# Altium PCB RTU_LMG_PCB2.PcbDoc (continued)
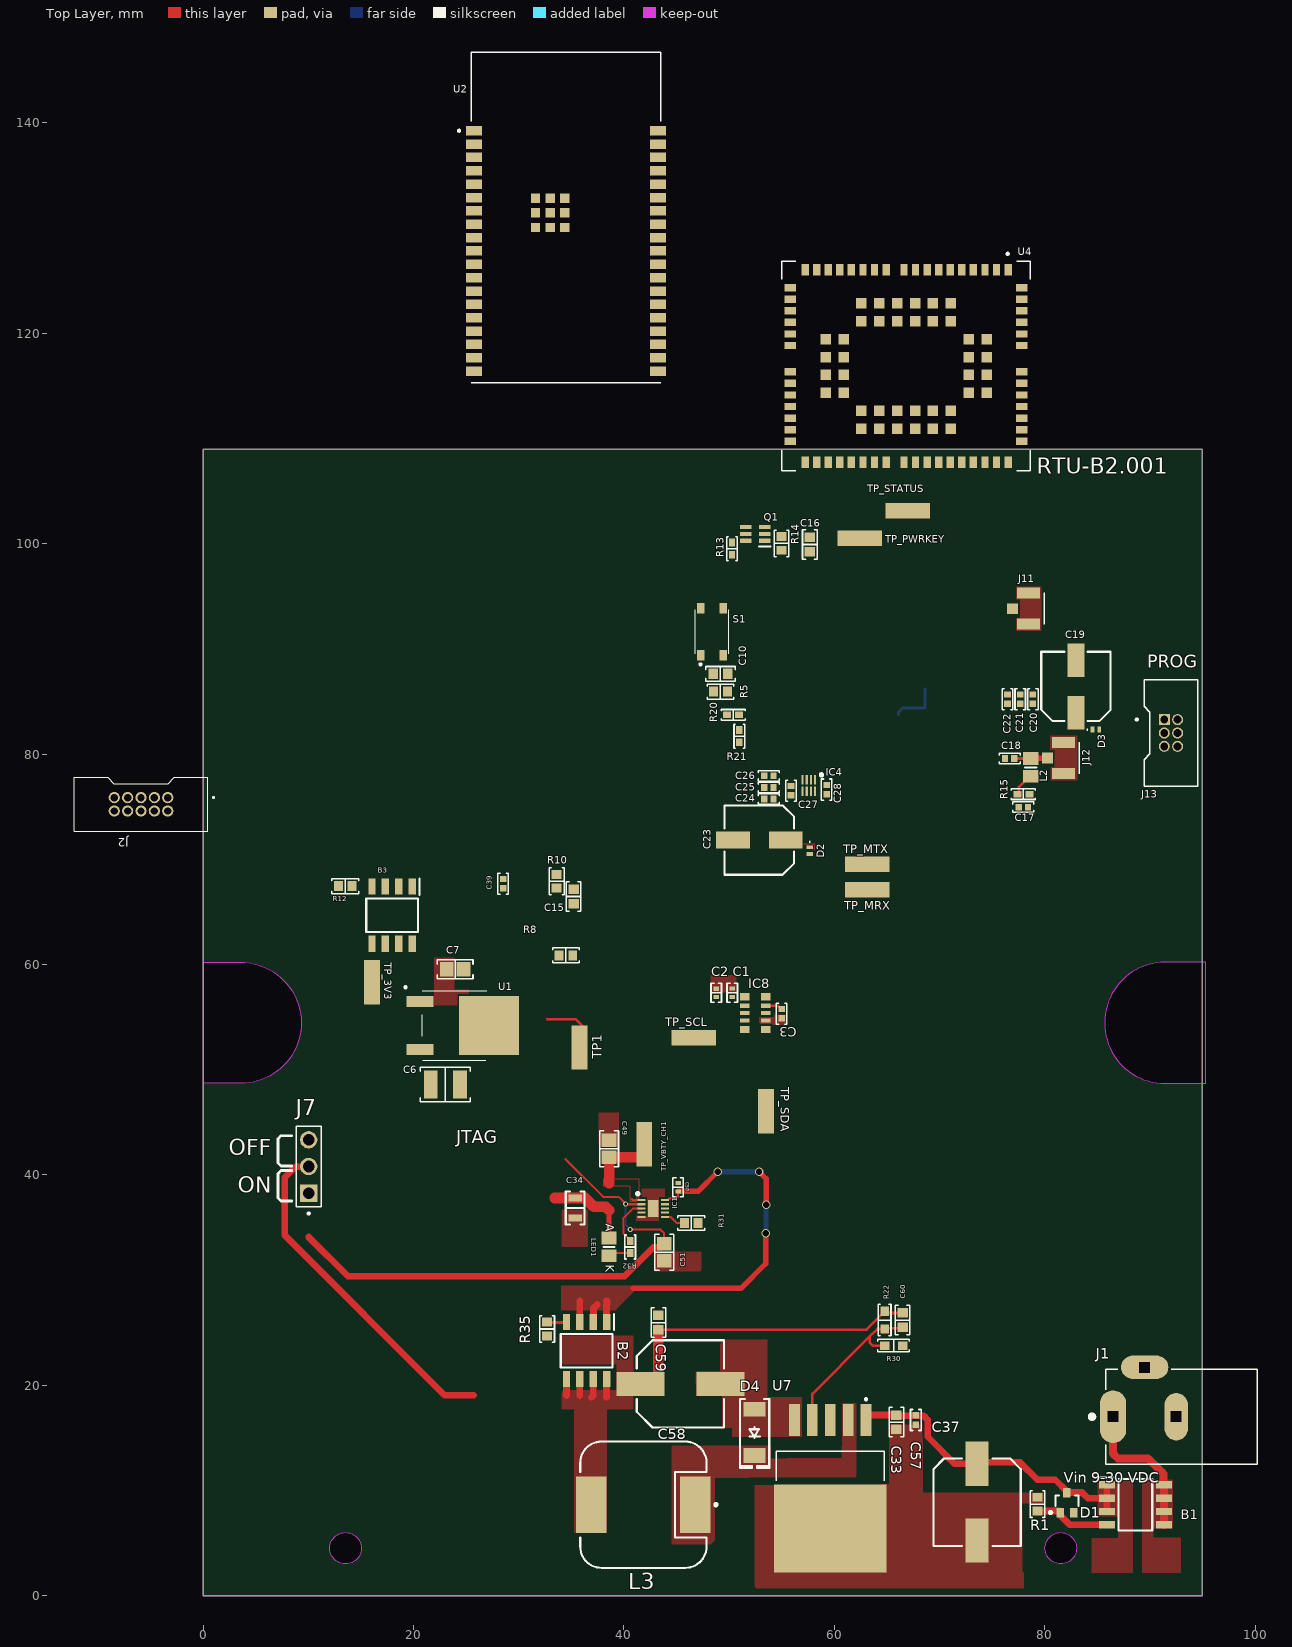
[diagram p0: Top Layer view]
## Footprints (in the part's own frame and the unit in brackets; to place one, negate y for a bottom-side part, rotate by r counter-clockwise, add the part's x,y. Pads: shape width x height; smd on the part's side, far side on the other; paste and mask are expansions set on the pad) (continued)
RCWCTE [mm] "Test point"
  rect 4.2x1.5 smd: 1(0,0)
  body extent -1.6,-0.8 1.6,0.8, height 2.01
"RES 0402_1005" [mm] "Chip Resistor, 2-Leads, Body 1.0x0.5mm, IPC Medium Density"
  rect 0.75x0.6 smd: 1(-0.575,0) 2(0.575,0)
  silkscreen extent -1.14,-0.51 1.14,0.51, body extent -0.5,-0.25 0.5,0.25, height 0.35
"RES 0603_1608" [mm] "Chip Resistor, 2-Leads, Body 1.60x0.80mm, IPC Medium Density"
  rect 0.85x0.95 smd: 1(-0.65,0) 2(0.65,0)
  silkscreen extent -1.27,-0.7 1.27,0.7, body extent -0.8,-0.4 0.8,0.4, height 0.45
RX8130CE [mm] "RTC RX8130CE"
  rect 0.7x0.9 smd: 1(-1.55,-1) 5(1.55,-1) 6(1.55,1) 10(-1.55,1)
  rect 0.4x0.9 smd: 2(-0.7,-1) 3(0,-1) 4(0.7,-1) 7(0.7,1) 8(0,1) 9(-0.7,1)
  silkscreen extent -1.65,-1.8 -1.55,-1.7, body extent -1.6,-1.25 1.6,1.25, height 1.1
SOD-882 [mm] "AQ1250-01ETG"
  rect 0.35x0.6 smd: 1(-0.325,0) 2(0.325,0)
  silkscreen extent -0.87,-0.05 -0.77,0.05, body extent -0.53,-0.33 0.53,0.33, height 0.43
SOIC127P600X175-8N [mm]
  rect 1.525x0.7 smd: 1(-2.712,1.905) 2(-2.712,0.635) 3(-2.712,-0.635) 4(-2.712,-1.905) 5(2.712,-1.905) 6(2.712,-0.635) 7(2.712,0.635) 8(2.712,1.905)
  silkscreen extent -3.47,-2.45 1.6,2.61
SON40P220X200X80-11N [mm] "BQ25186"
  rect 0.75x0.2 smd: 1(-1.1,0.8) 2(-1.1,0.4) 3(-1.1,0) 4(-1.1,-0.4) 5(-1.1,-0.8) 6(1.1,-0.8) 7(1.1,-0.4) 8(1.1,0) 9(1.1,0.4) 10(1.1,0.8)
  rect 1x1.6 smd: 11(0,0)
  silkscreen extent -1.6,1.28 -1.35,1.52, body extent -1.15,-1 1.15,1, height 0.8
SOT-363 [mm] "UM6K34NTCN"
  rect 1.1x0.4 smd: 1(-0.9,0.65) 2(-0.9,0) 3(-0.9,-0.65) 4(0.9,-0.65) 5(0.9,0) 6(0.9,0.65)
  silkscreen extent -1.45,1.2 -0.35,1.2, body extent -1.05,-1 1.05,1, height 1
TE_1909763-1 [mm]
  rect 1x1.05 smd: 1(0,-1.525)
  rect 1.05x2.2 smd: 2(-1.475,0) 3(1.475,0)
  silkscreen extent -1.5,1.5 1.5,1.5, body extent -1.5,0 1.5,1.23, height 1.55
TO252-3 [mm] "AZ2185D-ADJTRG1"
  rect 1.06x2.6 smd: 1(-2.286,-3.275) 3(2.286,-3.275)
  rect 5.632x5.7 smd: 2(0,3.275)
  silkscreen extent -3.74,-4.74 3.29,3.05, body extent -3.29,-3.05 3.29,3.05, height 2.49
"WURTH WE-PD 1210" [mm] "SMT Shielded Power Inductor, 2-leads, body 12x12mm"
  rect 2.9x5.4 smd: 1(-4.95,-0.016) 2(4.95,-0.016)
  silkscreen extent -7.02,-6.02 6,5.98, body extent -6,-6.02 6,5.98, height 9.46
"YAGEO RES 0603_1608" [mm] "Chip Resistor, 2-Leads, Body 1.60x0.80mm"
  rect 0.9x0.8 smd: 1(-0.85,0) 2(0.85,0)
  silkscreen extent -1.5,-0.6 1.5,0.6, body extent -0.8,-0.4 0.8,0.4, height 0.45

## Part data
B1 B2 B3: "Max rDS(on) = 14.8m at VGS = -4.5V, ID = -11A; HBM ESD protection level of 6kV typical (note 3); High power and current handing capability; Extended VGS range (-25V) for battery applications; High performance trench technology for extremely lowrDS(on); High power and current handing capability; Max rDS(on) = 9.3mat VGS = -10V, ID = -13A", Manufacturer_Name=onsemi, Mouser Part Number=512-FDS6679AZ, Datasheet Link=https://www.onsemi.com/pub/Collateral/FDS6679AZ-D.PDF, Geometry.Height=1.75mm, Manufacturer_Part_Number=FDS6679AZ, Mouser Price/Stock=https://www.mouser.co.uk/ProductDetail/onsemi-Fairchild/FDS6679AZ?qs=vnwGVgFuQiZlXnM8io%2FtYg%3D%3D
  B2: componentlink1description="New link", componentlink1url=https://ar.mouser.com/ProductDetail/onsemi-Fairchild/FDS6679AZ?qs=vnwGVgFuQiZlXnM8io%2FtYg%3D%3D, componentlink2description="New link", componentlink2url=https://www.digikey.com/en/products/detail/umw/FDS6679AZ/24889652
C1 C2 C17 C20 C24 C27 C28: library part GRM155R71H104KE14D, "CAP CER 0.1UF 50V X7R 0402", Device Package="0402 (1005 Metric)", manufacturer="Murata Electronics", Operating Temperature="-55°C ~ 125°C", Supplier Part Number 1=490-10700-1-ND, Temperature Coefficient=X7R, Tolerance=±10%, Voltage - Rated=50V, Applications="General Purpose", Capacitance="0.1 µF", componentlink1description=Datasheet, componentlink1url=https://search.murata.co.jp/Ceramy/image/img/A01X/G101/ENG/GRM155R71H104KE14-01.pdf, componentlink2description="DigiKey Link", componentlink2url=https://www.digikey.com/en/products/detail/murata-electronics/GRM155R71H104KE14D/4906220, Lifecycle Status=Active, Minimum Order=1, Mounting Type="Surface Mount, MLCC", Package / Case="0402 (1005 Metric)", Part Number=GRM155R71H104KE14D, Part Status=Active, partid=12677, Price=0.01, series=GRM, Size / Dimension="0.039\" L x 0.020\" W (1.00mm x 0.50mm)", Supplier 1=DigiKey, Thickness (Max)="0.022\" (0.55mm)"
  C1 C2: lastupdated="8/27/2024 12:42:53 PM", packaging=TapeAndReel
  C17 C20 C24 C27 C28: lastupdated="10/30/2023 7:04:06 PM", packaging=CutTape
C3: library part CL05A105KO5NNNC, "CAP CER 1UF 16V X5R 0402", Device Package="0402 (1005 Metric)", manufacturer="Samsung Electro-Mechanics", Operating Temperature="-55°C ~ 85°C", Supplier Part Number 1=1276-1067-1-ND, Temperature Coefficient=X5R, Tolerance=±10%, Voltage - Rated=16V, Applications="General Purpose", Capacitance="1 µF", componentlink1description=Datasheet, componentlink1url=http://www.samsungsem.com/kr/support/product-search/mlcc/CL05A105KO5NNNC.jsp, componentlink2description="DigiKey Link", componentlink2url=https://www.digikey.com/en/products/detail/samsung-electro-mechanics/CL05A105KO5NNNC/3886725, lastupdated="2/9/2024 8:04:35 PM", Lifecycle Status=Active, Minimum Order=1, Mounting Type="Surface Mount, MLCC", Package / Case="0402 (1005 Metric)", packaging=TapeAndReel, Part Number=CL05A105KO5NNNC, Part Status=Active, partid=3120, Price=0.01, series=CL, Size / Dimension="0.039\" L x 0.020\" W (1.00mm x 0.50mm)", Supplier 1=DigiKey, Thickness (Max)="0.022\" (0.55mm)"
C6 C8: library part C3225X7R1N106K250AC, "CAP CER 10UF 75V X7R 1210", Device Package="1210 (3225 Metric)", manufacturer="TDK Corporation", Operating Temperature="-55°C ~ 125°C", Supplier Part Number 1=445-C3225X7R1N106K250ACCT-ND, Temperature Coefficient=X7R, Tolerance=±10%, Voltage - Rated=75V, Applications="General Purpose", Capacitance="10 µF", componentlink1description=Datasheet, componentlink1url=https://product.tdk.com/info/en/catalog/datasheets/mlcc_commercial_general_en.pdf?ref_disty=digikey, componentlink2description="DigiKey Link", componentlink2url=https://www.digikey.com/en/products/detail/tdk-corporation/C3225X7R1N106K250AC/10413502, Features="Low ESL", lastupdated="10/29/2023 7:38:56 PM", Lifecycle Status=Active, Minimum Order=1, Mounting Type="Surface Mount, MLCC", Package / Case="1210 (3225 Metric)", packaging=TapeAndReel, partid=45109, Part Number=C3225X7R1N106K250AC, Part Status=Active, Price=0.29, series=C, Size / Dimension="0.126\" L x 0.098\" W (3.20mm x 2.50mm)", Supplier 1=DigiKey, Thickness (Max)="0.110\" (2.80mm)"
C7 C9 C11 C13: library part CL21A226MOCLRNC, "CAP CER 22UF 16V X5R 0805", Device Package="0805 (2012 Metric)", manufacturer="Samsung Electro-Mechanics", Operating Temperature="-55°C ~ 85°C", Supplier Part Number 1=1276-6780-1-ND, Temperature Coefficient=X5R, Tolerance=±20%, Voltage - Rated=16V, Applications="General Purpose", Capacitance="22 µF", componentlink1description=Datasheet, componentlink1url=http://www.samsungsem.com/kr/support/product-search/mlcc/CL21A226MOCLRNC.jsp, componentlink2description="DigiKey Link", componentlink2url=https://www.digikey.com/en/products/detail/samsung-electro-mechanics/CL21A226MOCLRNC/5961264, Features="Low Profile", lastupdated="10/30/2023 7:14:19 PM", Lifecycle Status=Active, Minimum Order=1, Mounting Type="Surface Mount, MLCC", Package / Case="0805 (2012 Metric)", packaging=TapeAndReel, partid=4767, Part Number=CL21A226MOCLRNC, Part Status=Active, Price=0.05, series=CL, Size / Dimension="0.079\" L x 0.049\" W (2.00mm x 1.25mm)", Supplier 1=DigiKey, Thickness (Max)="0.037\" (0.95mm)"
C10 C12 C14 C15 C16: library part 885012206118, "CAP CER 0.047UF 100V X7R 0603", Device Package="0603 (1608 Metric)", manufacturer="Würth Elektronik", Operating Temperature="-55°C ~ 125°C", Supplier Part Number 1=732-12192-1-ND, Temperature Coefficient=X7R, Tolerance=±10%, Voltage - Rated=100V, Applications="General Purpose", Capacitance="0.047 µF", componentlink1description=Datasheet, componentlink1url=https://katalog.we-online.de/pbs/datasheet/885012206118.pdf, componentlink2description="DigiKey Link", componentlink2url=https://www.digikey.com/en/products/detail/würth-elektronik/885012206118/9346004, lastupdated="10/29/2023 7:09:06 PM", Lifecycle Status=Active, Minimum Order=1, Mounting Type="Surface Mount, MLCC", Package / Case="0603 (1608 Metric)", packaging=TapeAndReel, partid=11891, Part Number=885012206118, Part Status=Active, Price=0.06, series=WCAP-CSGP, Size / Dimension="0.063\" L x 0.031\" W (1.60mm x 0.80mm)", Supplier 1=DigiKey, Thickness (Max)="0.037\" (0.95mm)"
C18: library part CC0402FRNPO9BN101, "CAP CER 100PF 50V C0G/NPO 0402", Device Package="0402 (1005 Metric)", manufacturer=Yageo, Operating Temperature="-55°C ~ 125°C", Supplier Part Number 1=311-3329-1-ND, Temperature Coefficient="C0G, NP0", Tolerance=±1%, Voltage - Rated=50V, Applications="General Purpose", Capacitance="100 pF", componentlink1description=Datasheet, componentlink1url=https://www.yageo.com/upload/media/product/productsearch/datasheet/mlcc/UPY-GP_NP0_16V-to-50V_17.pdf, componentlink2description="DigiKey Link", componentlink2url=https://www.digikey.com/en/products/detail/yageo/CC0402FRNPO9BN101/5021207, lastupdated="11/1/2023 7:04:19 PM", Lifecycle Status=Active, Minimum Order=1, Mounting Type="Surface Mount, MLCC", Package / Case="0402 (1005 Metric)", packaging=TapeAndReel, partid=8397, Part Number=CC0402FRNPO9BN101, Part Status=Active, Price=0.01, series=CC, Size / Dimension="0.039\" L x 0.020\" W (1.00mm x 0.50mm)", Supplier 1=DigiKey, Thickness (Max)="0.022\" (0.55mm)"
C19 C23: library part 865080343009, "CAP ALUM 100UF 20% 16V SMD", Device Package="Radial, Can - SMD", Lifetime @ Temp.="2000 Hrs @ 105°C", manufacturer="Würth Elektronik", Operating Temperature="-55°C ~ 105°C", Ripple Current @ High Frequency="255 mA @ 100 kHz", Ripple Current @ Low Frequency="165.75 mA @ 120 Hz", Supplier Part Number 1=732-8419-1-ND, Tolerance=±20%, Voltage - Rated="16 V", Applications="General Purpose", Capacitance="100 µF", componentlink1description=Datasheet, componentlink1url=https://katalog.we-online.de/pbs/datasheet/865080343009.pdf, componentlink2description="DigiKey Link", componentlink2url=https://www.digikey.com/en/products/detail/würth-elektronik/865080343009/5728014, Height - Seated (Max)="0.217\" (5.50mm)", Impedance="520 mOhms", lastupdated="10/31/2023 8:16:49 PM", Lifecycle Status=Active, Minimum Order=1, Mounting Type="Surface Mount", Package / Case="Radial, Can - SMD", packaging=TapeAndReel, partid=8820, Part Number=865080343009, Part Status=Active, Polarization=Polar, Price=0.16, series=WCAP-ASLI, Size / Dimension="0.248\" Dia (6.30mm)", Supplier 1=DigiKey, Surface Mount Land Size="0.260\" L x 0.260\" W (6.60mm x 6.60mm)"
C21 C25: library part CC0402GRNPO9BN330, "CAP CER 33PF 50V C0G/NPO 0402", Device Package="0402 (1005 Metric)", manufacturer=Yageo, Operating Temperature="-55°C ~ 125°C", Supplier Part Number 1=311-1654-1-ND, Temperature Coefficient="C0G, NP0", Tolerance=±2%, Voltage - Rated=50V, Applications="General Purpose", Capacitance="33 pF", componentlink1description=Datasheet, componentlink1url=https://www.yageo.com/upload/media/product/productsearch/datasheet/mlcc/UPY-GP_NP0_16V-to-50V_17.pdf, componentlink2description="DigiKey Link", componentlink2url=https://www.digikey.com/en/products/detail/yageo/CC0402GRNPO9BN330/5195063, lastupdated="11/1/2023 7:04:30 PM", Lifecycle Status=Active, Minimum Order=1, Mounting Type="Surface Mount, MLCC", Package / Case="0402 (1005 Metric)", packaging=TapeAndReel, partid=1910, Part Number=CC0402GRNPO9BN330, Part Status=Active, Price=0.01, series=CC, Size / Dimension="0.039\" L x 0.020\" W (1.00mm x 0.50mm)", Supplier 1=DigiKey, Thickness (Max)="0.022\" (0.55mm)"
C22 C26: library part CC0402DRNPO9BN100, "CAP CER 10PF 50V C0G/NPO 0402", Device Package="0402 (1005 Metric)", manufacturer=Yageo, Operating Temperature="-55°C ~ 125°C", Supplier Part Number 1=311-3651-1-ND, Temperature Coefficient="C0G, NP0", Tolerance=±0.5pF, Voltage - Rated=50V, Applications="General Purpose", Capacitance="10 pF", componentlink1description=Datasheet, componentlink1url=https://www.yageo.com/upload/media/product/productsearch/datasheet/mlcc/UPY-GP_NP0_16V-to-50V_17.pdf, componentlink2description="DigiKey Link", componentlink2url=https://www.digikey.com/en/products/detail/yageo/CC0402DRNPO9BN100/2297890, lastupdated="11/1/2023 7:04:26 PM", Lifecycle Status=Active, Minimum Order=1, Mounting Type="Surface Mount, MLCC", Package / Case="0402 (1005 Metric)", packaging=CutTape, partid=3899, Part Number=CC0402DRNPO9BN100, Part Status=Active, Price=0.01, series=CC, Size / Dimension="0.039\" L x 0.020\" W (1.00mm x 0.50mm)", Supplier 1=DigiKey, Thickness (Max)="0.022\" (0.55mm)"
C33: library part 06035D105MAT2A, "CAP CER 1UF 50V X5R 0603", Device Package="0603 (1608 Metric)", manufacturer="AVX Corporation", Operating Temperature="-55°C ~ 85°C", Supplier Part Number 1=478-11443-1-ND, Temperature Coefficient=X5R, Tolerance=±20%, Voltage - Rated=50V, Applications="General Purpose", Capacitance=1µF, componentlink1description=Datasheet, componentlink1url=http://datasheets.avx.com/cx5r.pdf, componentlink2description="DigiKey Link", componentlink2url=http://digikey.com/product-detail/en/avx-corporation/06035D105MAT2A/478-11443-1-ND/8019298, lastupdated="2/9/2020 01:03:34", Lifecycle Status=Active, Minimum Order=1, Mounting Type="Surface Mount, MLCC", Package / Case="0603 (1608 Metric)", packaging=TapeAndReel, Part Number=06035D105MAT2A, Part Status=Active, partid=3200, Price=0.05, series=-, Size / Dimension="0.063\" L x 0.032\" W (1.60mm x 0.81mm)", Supplier 1=DigiKey, Thickness (Max)="0.035\" (0.90mm)"
C34: library part GRM21BC72A105KE01L, "CAP CER 1UF 100V X7S 0805", Device Package="0805 (2012 Metric)", manufacturer="Murata Electronics", Operating Temperature="-55°C ~ 125°C", Supplier Part Number 1=490-14464-1-ND, Temperature Coefficient=X7S, Tolerance=±10%, Voltage - Rated=100V, Applications="General Purpose", Capacitance="1 µF", componentlink1description=Datasheet, componentlink1url=https://search.murata.co.jp/Ceramy/image/img/A01X/G101/ENG/GRM21BC72A105KE01-01.pdf, componentlink2description="DigiKey Link", componentlink2url=https://www.digikey.com/en/products/detail/murata-electronics/GRM21BC72A105KE01L/6606093, lastupdated="27/8/2024 09:29:56", Lifecycle Status=Active, Minimum Order=1, Mounting Type="Surface Mount, MLCC", Package / Case="0805 (2012 Metric)", packaging=TapeAndReel, Part Number=GRM21BC72A105KE01L, Part Status=Active, partid=8550, Price=0.06, series=GRM, Size / Dimension="0.079\" L x 0.049\" W (2.00mm x 1.25mm)", Supplier 1=DigiKey, Thickness (Max)="0.057\" (1.45mm)"
C37: library part HHXD350ARA101MHA0G, "CAP ALUM HYBRD 100UF 20% 35V SMD", Device Package="Radial, Can - SMD", ESR (Equivalent Series Resistance)=27mOhm, Lifetime @ Temp.="5000 Hrs @ 105°C", manufacturer="United Chemi-Con", Operating Temperature="-55°C ~ 105°C", Ratings=AEC-Q200, Ripple Current @ High Frequency="2.3 A @ 100 kHz", Ripple Current @ Low Frequency="230 mA @ 120 Hz", Supplier Part Number 1=565-HHXD350ARA101MHA0GCT-ND, Tolerance=±20%, Voltage - Rated="35 V", Applications=Automotive, Capacitance="100 µF", componentlink1description=Datasheet, componentlink1url=http://www.chemi-con.co.jp/cgi-bin/CAT_DB/SEARCH/cat_db_al.cgi?e=e&j=p&pdfname=hxd, componentlink2description="DigiKey Link", componentlink2url=https://www.digikey.com/en/products/detail/united-chemi-con/HHXD350ARA101MHA0G/10486549, Height - Seated (Max)="0.413\" (10.50mm)", lastupdated="3/6/2024 20:17:04", Lifecycle Status=Active, Minimum Order=1, Mounting Type="Surface Mount", Package / Case="Radial, Can - SMD", packaging=TapeAndReel, Part Number=HHXD350ARA101MHA0G, Part Status=Active, partid=2061, Price=0.51, series=HXD, Size / Dimension="0.315\" Dia (8.00mm)", Supplier 1=DigiKey, Surface Mount Land Size="0.327\" L x 0.327\" W (8.30mm x 8.30mm)", Type=Hybrid
C39 C57: library part CGA2B3X5R1H104M050BB, "CAP CER 0.1UF 50V X5R 0402", Device Package="0402 (1005 Metric)", manufacturer="TDK Corporation", Operating Temperature="-55°C ~ 85°C", Ratings=AEC-Q200, Supplier Part Number 1=445-12214-1-ND, Temperature Coefficient=X5R, Tolerance=±20%, Voltage - Rated=50V, Applications=Automotive, Capacitance="0.1 µF", componentlink1description=Datasheet, componentlink1url=https://product.tdk.com/info/en/catalog/datasheets/mlcc_automotive_general_en.pdf?ref_disty=digikey, componentlink2description="DigiKey Link", componentlink2url=https://www.digikey.com/en/products/detail/tdk-corporation/CGA2B3X5R1H104M050BB/3949450, lastupdated="9/2/2024 20:04:38", Lifecycle Status=Active, Minimum Order=1, Mounting Type="Surface Mount, MLCC", Package / Case="0402 (1005 Metric)", packaging=TapeAndReel, Part Number=CGA2B3X5R1H104M050BB, Part Status=Active, partid=1792, Price=0.01, series=CGA, Size / Dimension="0.039\" L x 0.020\" W (1.00mm x 0.50mm)", Supplier 1=DigiKey, Thickness (Max)="0.022\" (0.55mm)"
C49 C51: library part CL21A106KOQNNNE, "CAP CER 10UF 16V X5R 0805", Device Package="0805 (2012 Metric)", manufacturer="Samsung Electro-Mechanics", Operating Temperature="-55°C ~ 85°C", Supplier Part Number 1=1276-1096-1-ND, Temperature Coefficient=X5R, Tolerance=±10%, Voltage - Rated=16V, Applications="General Purpose", Capacitance="10 µF", componentlink1description=Datasheet, componentlink1url=http://www.samsungsem.com/kr/support/product-search/mlcc/CL21A106KOQNNNE.jsp, componentlink2description="DigiKey Link", componentlink2url=https://www.digikey.com/en/products/detail/samsung-electro-mechanics/CL21A106KOQNNNE/3886754, lastupdated="10/30/2023 7:13:57 PM", Lifecycle Status=Active, Minimum Order=1, Mounting Type="Surface Mount, MLCC", Package / Case="0805 (2012 Metric)", packaging=TapeAndReel, Part Number=CL21A106KOQNNNE, Part Status=Active, partid=14297, Price=0.01, series=CL, Size / Dimension="0.079\" L x 0.049\" W (2.00mm x 1.25mm)", Supplier 1=DigiKey, Thickness (Max)="0.055\" (1.40mm)"
C50: library part GRM155R6YA105KE11D, "CAP CER 1UF 35V X5R 0402", Device Package="0402 (1005 Metric)", manufacturer="Murata Electronics", Operating Temperature="-55°C ~ 85°C", Supplier Part Number 1=490-10019-1-ND, Temperature Coefficient=X5R, Tolerance=±10%, Voltage - Rated=35V, Applications="General Purpose", Capacitance="1 µF", componentlink1description=Datasheet, componentlink1url=https://search.murata.co.jp/Ceramy/image/img/A01X/G101/ENG/GRM155R6YA105KE11-01.pdf, componentlink2description="DigiKey Link", componentlink2url=https://www.digikey.com/en/products/detail/murata-electronics/GRM155R6YA105KE11D/4905162, lastupdated="8/27/2024 12:42:54 PM", Lifecycle Status=Active, Minimum Order=1, Mounting Type="Surface Mount, MLCC", Package / Case="0402 (1005 Metric)", packaging=TapeAndReel, Part Number=GRM155R6YA105KE11D, Part Status=Active, partid=4167, Price=0.01, series=GRM, Size / Dimension="0.039\" L x 0.020\" W (1.00mm x 0.50mm)", Supplier 1=DigiKey, Thickness (Max)="0.024\" (0.60mm)"
C58: library part 865060353008, "CAP ALUM 330UF 20% 16V SMD", Device Package="Radial, Can - SMD", Lifetime @ Temp.="5000 Hrs @ 105°C", manufacturer="Würth Elektronik", Operating Temperature="-55°C ~ 105°C", Ripple Current @ High Frequency="550 mA @ 100 kHz", Ripple Current @ Low Frequency="357.5 mA @ 120 Hz", Supplier Part Number 1=732-8525-1-ND, Tolerance=±20%, Voltage - Rated="16 V", Applications="General Purpose", Capacitance="330 µF", componentlink1description=Datasheet, componentlink1url=https://katalog.we-online.de/pbs/datasheet/865060353008.pdf, componentlink2description="DigiKey Link", componentlink2url=https://www.digikey.com/en/products/detail/würth-elektronik/865060353008/5728120, Height - Seated (Max)="0.413\" (10.50mm)", Impedance="170 mOhms", lastupdated="3/6/2024 20:15:49", Lifecycle Status=Active, Minimum Order=1, Mounting Type="Surface Mount", Package / Case="Radial, Can - SMD", packaging=TapeAndReel, Part Number=865060353008, Part Status=Active, partid=7463, Polarization=Polar, Price=0.39, series=WCAP-ASLL, Size / Dimension="0.315\" Dia (8.00mm)", Supplier 1=DigiKey, Surface Mount Land Size="0.327\" L x 0.327\" W (8.30mm x 8.30mm)"
C59: library part C1608X5R1A226M080AC, "CAP CER 22UF 10V X5R 0603", Device Package="0603 (1608 Metric)", manufacturer="TDK Corporation", Operating Temperature="-55°C ~ 85°C", Supplier Part Number 1=445-9077-1-ND, Temperature Coefficient=X5R, Tolerance=±20%, Voltage - Rated=10V, Applications="General Purpose", Capacitance="22 µF", componentlink1description=Datasheet, componentlink1url=https://product.tdk.com/info/en/catalog/datasheets/mlcc_commercial_general_en.pdf?ref_disty=digikey, componentlink2description="DigiKey Link", componentlink2url=https://www.digikey.com/en/products/detail/tdk-corporation/C1608X5R1A226M080AC/3661560, Features="Low ESL", lastupdated="9/2/2024 20:10:30", Lifecycle Status=Active, Minimum Order=1, Mounting Type="Surface Mount, MLCC", Package / Case="0603 (1608 Metric)", packaging=TapeAndReel, Part Number=C1608X5R1A226M080AC, Part Status=Active, partid=2684, Price=0.08, series=C, Size / Dimension="0.063\" L x 0.031\" W (1.60mm x 0.80mm)", Supplier 1=DigiKey, Thickness (Max)="0.039\" (1.00mm)"
C60: library part 885012206028, "CAP CER 100PF 16V X7R 0603", Device Package="0603 (1608 Metric)", manufacturer="Würth Elektronik", Operating Temperature="-55°C ~ 125°C", Supplier Part Number 1=732-7947-1-ND, Temperature Coefficient=X7R, Tolerance=±10%, Voltage - Rated=16V, Applications="General Purpose", Capacitance="100 pF", componentlink1description=Datasheet, componentlink1url=https://katalog.we-online.de/pbs/datasheet/885012206028.pdf, componentlink2description="DigiKey Link", componentlink2url=https://www.digikey.com/en/products/detail/würth-elektronik/885012206028/5453802, lastupdated="9/2/2024 20:10:28", Lifecycle Status=Active, Minimum Order=1, Mounting Type="Surface Mount, MLCC", Package / Case="0603 (1608 Metric)", packaging=TapeAndReel, Part Number=885012206028, Part Status=Active, partid=3600, Price=0.02, series=WCAP-CSGP, Size / Dimension="0.063\" L x 0.031\" W (1.60mm x 0.80mm)", Supplier 1=DigiKey, Thickness (Max)="0.034\" (0.87mm)"
D1: "DIODE ZENER 12V 275MW SOT323", Current - Reverse Leakage @ Vr="100 nA @ 8 V", manufacturer="Nexperia USA Inc.", Operating Temperature="150°C (TJ)", Package / Case="SC-70, SOT-323", Power - Max="275 mW", Supplier Device Package=SOT-323, Supplier Part Number 1=1727-8288-1-ND, Tolerance=±5%, Voltage - Forward (Vf) (Max) @ If="900 mV @ 10 mA", Voltage - Zener (Nom) (Vz)="12 V", componentlink1description=Datasheet, componentlink1url=https://assets.nexperia.com/documents/data-sheet/BZX84W_SER.pdf, componentlink2description="DigiKey Link", componentlink2url=https://www.digikey.com/en/products/detail/nexperia-usa-inc/BZX84W-C12F/9380703, Impedance (Max) (Zzt)="25 Ohms", lastupdated="3/6/2024 20:01:46", Lifecycle Status=Active, Minimum Order=1, Mounting Type="Surface Mount", packaging=TapeAndReel, Part Number=BZX84W-C12F, Part Status=Active, partid=873, Price=0.01, series=BZX84W, Supplier 1=DigiKey
D2 D3: "TVS Diode (Uni-directional) - VRMW =5V - VBR = 5.5 V", Manufacturer_Name=LITTELFUSE, Mouser Part Number=576-AQ1250-01ETG, Datasheet Link=https://www.littelfuse.com/~/media/electronics/datasheets/tvs_diode_arrays/littelfuse_tvs_diode_array_aq1250-01etg_datasheet.pdf.pdf, Height=0.55mm, Manufacturer_Part_Number=AQ1250-01ETG, Mouser Price/Stock=https://www.mouser.co.uk/ProductDetail/Littelfuse/AQ1250-01ETG?qs=iLbezkQI%252BsgYBFHNQL11bg%3D%3D
D4: "DIODE SCHOTT 100V 5A SOD128/CFP5", Capacitance @ Vr, F="300pF @ 1V, 1MHz", Current - Average Rectified (Io)=5A, Current - Reverse Leakage @ Vr="1.75 µA @ 100 V", manufacturer="Nexperia USA Inc.", Operating Temperature - Junction=175°C, Supplier Device Package=SOD-128/CFP5, Supplier Part Number 1=1727-PMEG100T50ELPXTR-ND, Voltage - DC Reverse (Vr) (Max)="100 V", Voltage - Forward (Vf) (Max) @ If="895 mV @ 5 A", componentlink1description=Datasheet, componentlink1url=https://assets.nexperia.com/documents/data-sheet/PMEG100T50ELP.pdf, componentlink2description="DigiKey Link", componentlink2url=https://www.digikey.com/en/products/detail/nexperia-usa-inc/PMEG100T50ELPX/16610010, ComponentLink3Description="New link", ComponentLink3URL=https://www.digikey.com/en/products/detail/nexperia-usa-inc/PMEG100T50ELPX/16610010, Diode Type=Schottky, lastupdated="3/6/2024 20:26:05", Lifecycle Status=Active, Minimum Order=3000, Mounting Type="Surface Mount", packaging=TapeAndReel, Part Number=PMEG100T50ELPX, Part Status=Active, partid=3406, Price=0.18, Reverse Recovery Time (trr)="12.5 ns", series=-, Speed="Fast Recovery =< 500ns, > 200mA (Io)", Supplier 1=DigiKey
IC1: "BQ25186 1-Cell, 1A I2C Linear Battery Charger with Power Path, Ship Mode, Shutdown Mode, and Battery Tracking VINDPM", Manufacturer_Name="Texas Instruments", Mouser Part Number=595-BQ25186DLHR, Datasheet Link=https://www.ti.com/lit/ds/symlink/bq25186.pdf?ts=1740508135755&ref_url=https%253A%252F%252Fwww.ti.com%252Fproduct%252FBQ25186, Geometry.Height=0.8mm, Manufacturer_Part_Number=BQ25186DLHR, Mouser Price/Stock=https://www.mouser.co.uk/ProductDetail/Texas-Instruments/BQ25186DLHR?qs=efUn273yAheZpfz2mNbAWQ%3D%3D
IC3: "Fuente regulada LDO - 3V8 - 3A", Manufacturer_Name="Diodes Inc.", Mouser Part Number=621-AZ2185D-ADJTRG1, Arrow Part Number=AZ2185D-ADJTRG1, Arrow Price/Stock=https://www.arrow.com/en/products/az2185d-adjtrg1/diodes-incorporated, Datasheet Link=https://www.diodes.com/assets/Datasheets/AZ2185.pdf, Height=2.39mm, Manufacturer_Part_Number=AZ2185D-ADJTRG1, Mouser Price/Stock=https://www.mouser.co.uk/ProductDetail/Diodes-Incorporated/AZ2185D-ADJTRG1?qs=YCa%2FAAYMW022EhXzrDAtDg%3D%3D